# Altium PCB Layout.PcbDoc (part 2 of 4)
Units mil, origin at the board's own origin, x right, y up, seen from the top; angles counter-clockwise.
Board outline 11008.03 x 7942.91 mil, 4 copper layers (Top Layer, Mid 1, Mid 2, Bottom Layer), stack 23.712 mil thick; 525 components, 275 nets, 1569 pads, 373 vias.
Unrouted connection lines stored in the file: 16.
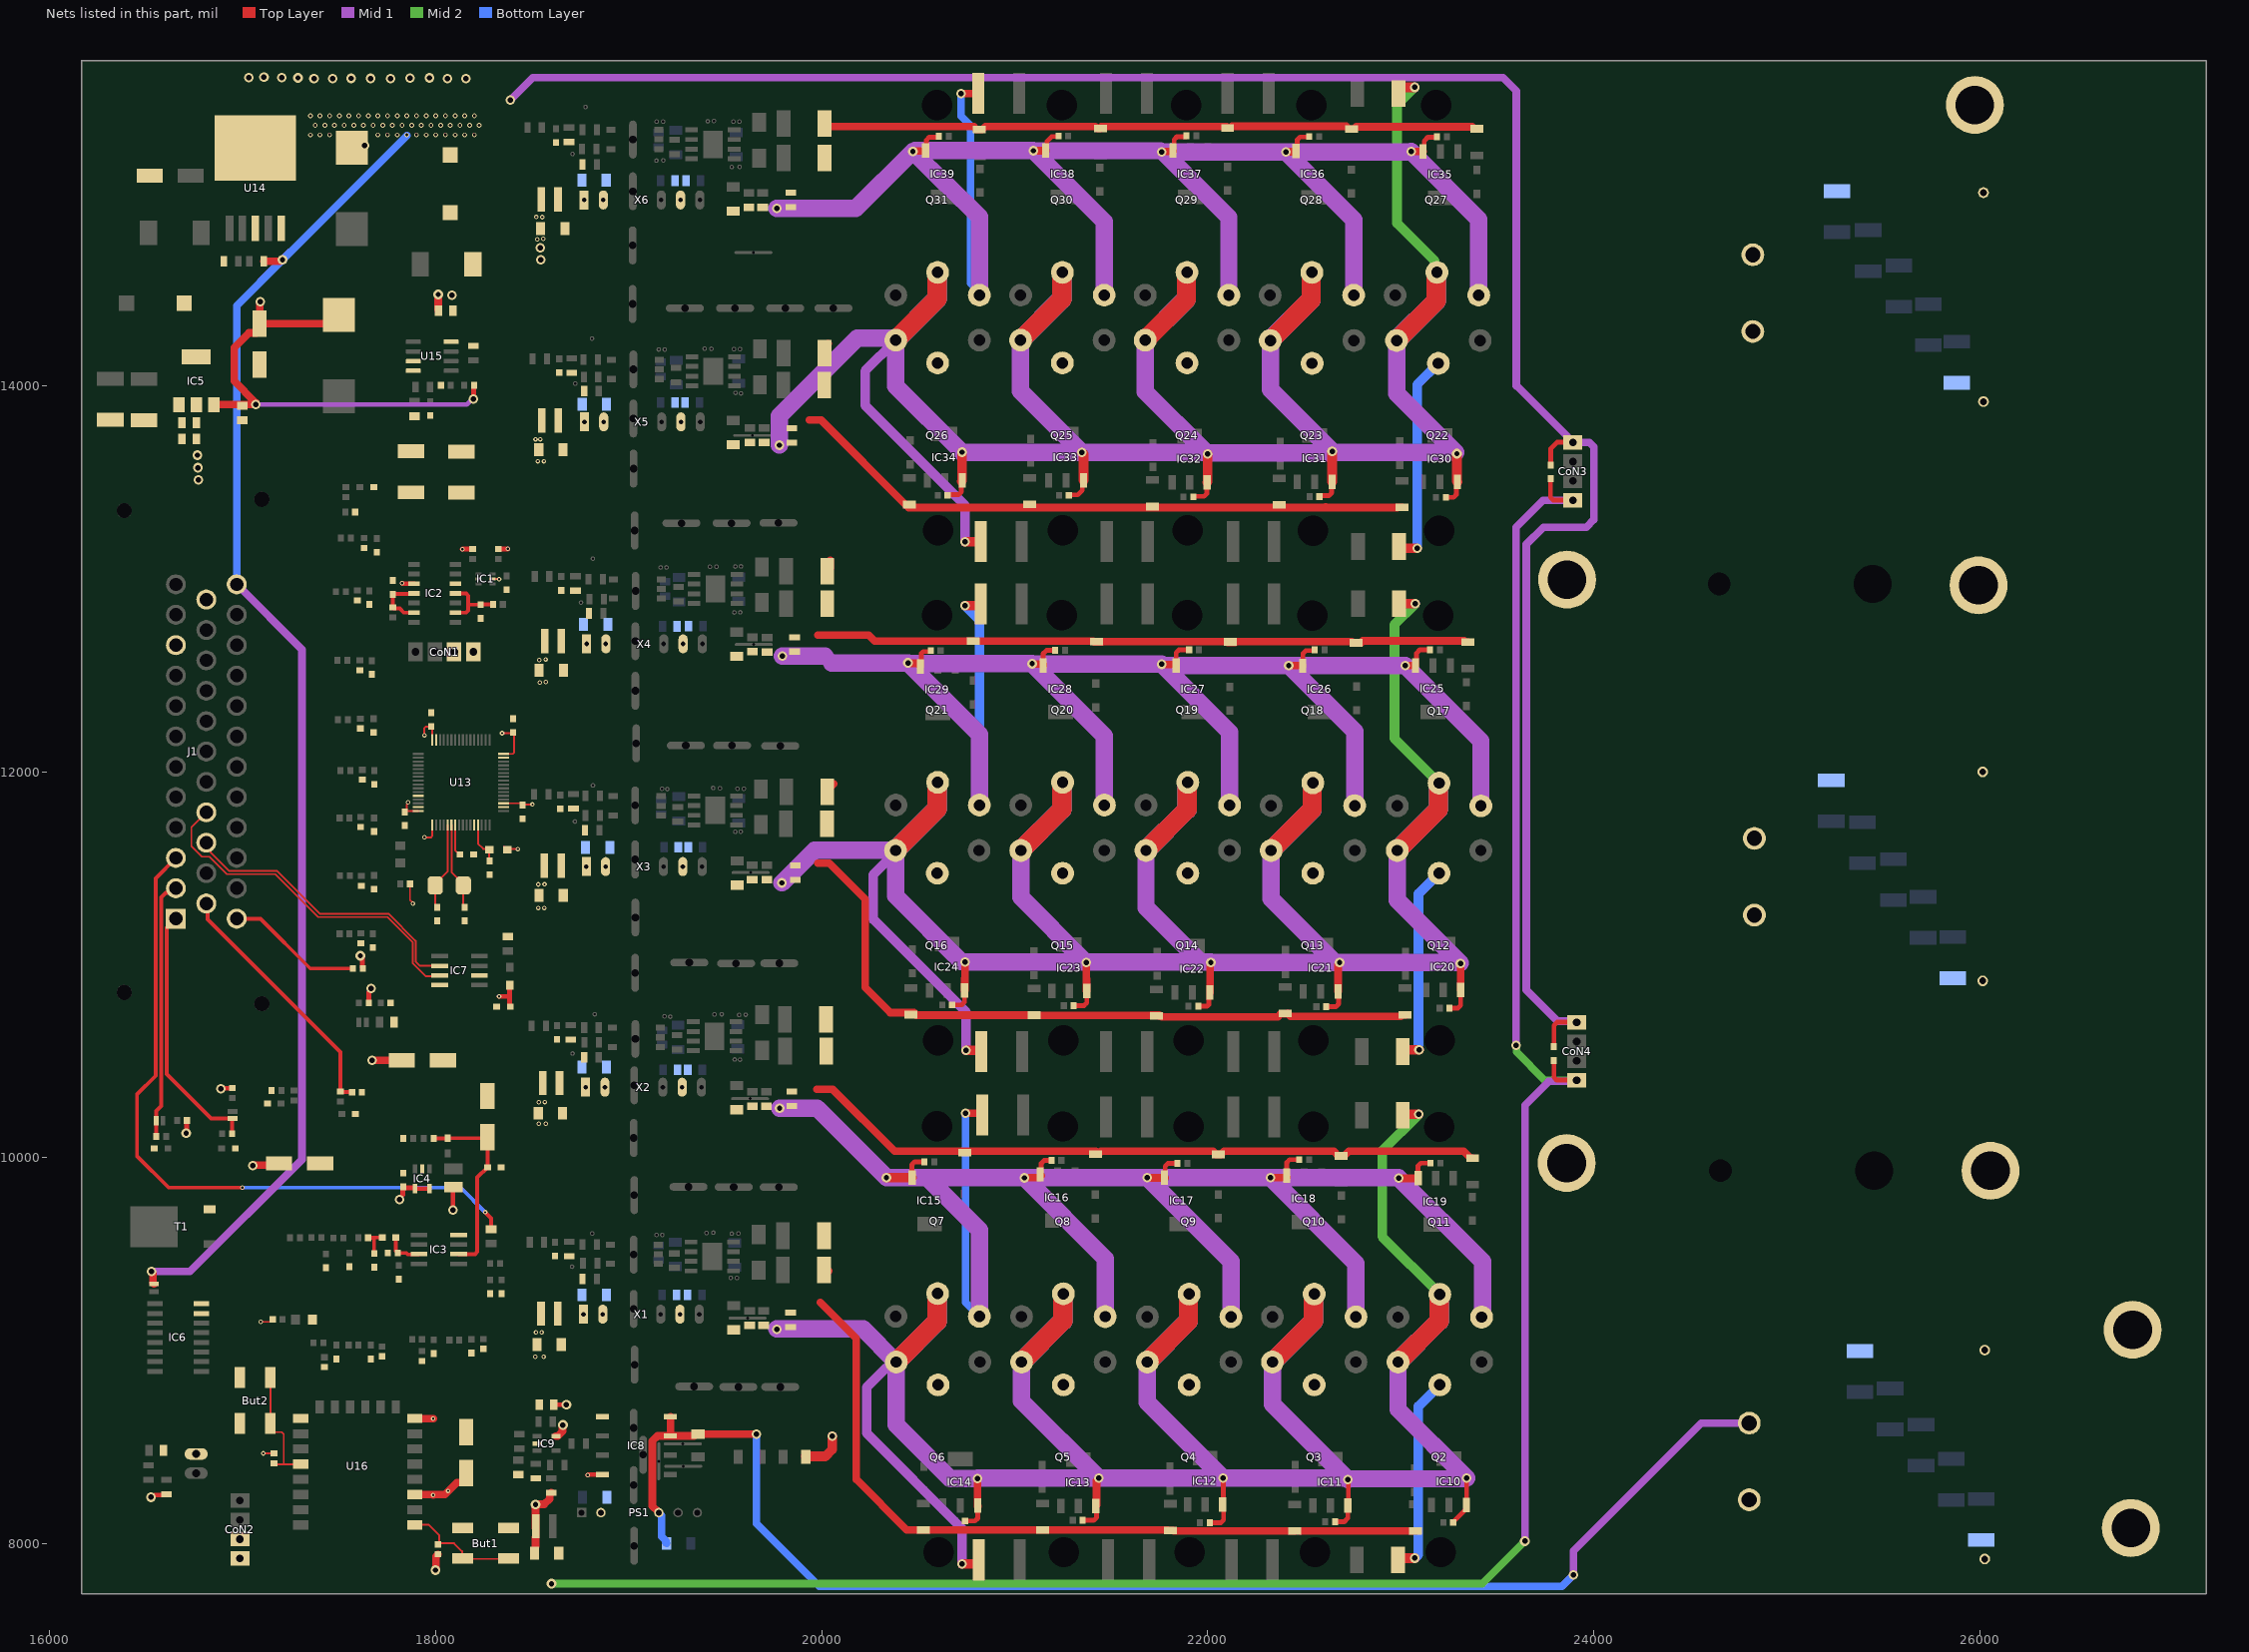
[diagram p4: the nets of this part, all layers, seen from the top]

## Part data
C1 C4 C5 C8 C9 C11 C14 C15 C18 C19 C21 C24 C25 C28 C29 C31 C34 C35 C38 C39 C41 C44 C45 C48 C49 C51 C54 C55 C58 C59 C76 C83 C90 C94 C96 C100 C101 C103 C106 C109 C116: library part C-0805
C2 C3 C10 C12 C13 C20 C22 C23 C30 C32 C33 C40 C42 C43 C50 C52 C53 C60 C112 C113: library part Cap1206, "Cap1206 4.7uF", Manufacturer=SAMSUNG, Özdisan Part Number=CL31B475KBHNNNE, Link=https://www.ozdisan.com/pasif-komponentler/kondansatorler/smd-kondansatorler-mlcc/CL31B475KBHNNNE, Price=0,10407
C6 C7 C16 C17 C26 C27 C36 C37 C46 C47 C56 C57: library part C-1206, "Cap1206 4.7uF"
C61 C62 C63 C64 C65 C66 C67 C68 C69 C70 C71 C73 C74 C75 C77 C78 C79 C80 C81 C82 C84 C85 C86 C87 C88 C89 C95 C104 C105 C107 C108 C110 C115 C117 C118 C119 C120 C121 C122 C123 C124 C125 C126 C127 C128 C129: library part C-0603
C72 C93 C97 C98 C99 C102: library part "100 uF Electr Cap"
C91 C92: library part "CAP 330UF SMD", "CAP ALUM 330UF 20% 16V SMD", Package="RADIAL-2 Panasonic", Availability="In Stock", Check_prices=https://www.snapeda.com/parts/EEE-TC1C331V/Panasonic/view-part/6178283/?ref=eda, MF="Panasonic Electronic Components", MP=EEE-TC1C331V, Price=None, Purchase-URL=https://pricing.snapeda.com/search/part/EEE-TC1C331V/?ref=eda, SnapEDA_Link=https://www.snapeda.com/parts/EEE-TC1C331V/Panasonic/view-part/6178283/?ref=snap
C111: library part C-1206
C130 C131 C132 C133 C134 C135 C136 C138 C139 C141 C143 C144 C147 C149 C150 C151 C152 C153: library part Cap2220, "2220", Manufacturer=SAMSUNG, Özdisan Part Number=CL31B475KBHNNNE, Link=https://www.ozdisan.com/pasif-komponentler/kondansatorler/smd-kondansatorler-mlcc/CL31B475KBHNNNE, Price=0,10407
C137 C140 C148: library part "CAP.POL 22UF 500VDC", ComponentLink1Description=https://www.ozdisan.com/pasif-komponentler/kondansatorler/film-kondansatorler/C3D2H226JB00C00, ComponentLink1URL=https://www.ozdisan.com/pasif-komponentler/kondansatorler/film-kondansatorler/C3D2H226JB00C00
C142 C145 C146: library part "Aluminum Electrolytic Capacitors", Capacitance=4.7mF, Case/Package=Radial, Manufacturer=Nichicon, Manufacturer Part Number=LKS1J472MESZ, Max Operating Temperature=85°C, Min Operating Temperature=-40°C, Package Quantity=250, Ripple Current=3A, Supplier Part Number 1=647-LKS1J472MESZ, Tolerance=20%, Voltage Rating=63V, ComponentLink2Description=https://www.ozdisan.com/pasif-komponentler/kondansatorler/aluminyum-kondansatorler/PKL5-063V472MM450, ComponentLink2URL=https://www.ozdisan.com/pasif-komponentler/kondansatorler/aluminyum-kondansatorler/PKL5-063V472MM450, Diameter=22mm, Height - Seated (Max)=1.772inch, Lead Pitch=0.394inch, Length=45mm, Life (Hours)=1000Hour, Mount="Through Hole", Packaging=Bulk, RoHS=Yes, Supplier 1=Mouser, Termination="Snap in", Voltage Rating (DC)=63V
D1 D2 D3 D4 D5 D6: "DIODE FAST SWITCHING Single 150mA 75V SMT SOD323"
D7 D11: "Green LED Indication - Discrete 1.7V 0805 (2012 Metric)", Package=None, Availability=Unavailable, MP=7012X1, Price=None
D8: library part DIODESOD-323F, "Diode   SMADIODE - SMA Surface Mount Package  20V 1A Schottky Diode Digikey: 641-1014-6-ND    DO-1N4148 - Through Hole Small Current Diode SOD-123 20V 1 A (.5mV Vf) Schottky Diode - Digikey: MBRX120TPMSCT-ND    SOD-323 10V 570mA (.38mV Vf, 3ns) Schottky Diode - Digikey: ZLLS410CT-ND    SOD-523 30V 30mA Schottky Diode (RB751S-40TE61) - Digikey: RB751S-40TE61CT-ND    SOT23-R/W - SOT23 Package (R = Solder Paste/Reflow Ovens, W = Hand-Soldering)  BAT54Film 40V 300mA - Digikey: 497-7162-1-ND", DeviceName=SOD-323F, DeviceSetName=DIODE, GateName_1=G$1, LibraryName=adafruit, SymbolName_1=DIODE
D9 D10: "Diode Schottky 40V 5A Surface Mount DO-214AA (SMB)", Package="DO-214 ON Semiconductor", Arrow_Electronics-Purchase-URL=https://snapeda.com/shop?store=Arrow+Electronics&id=432205, Availability=Good, DigiKey-Purchase-URL=https://snapeda.com/shop?store=DigiKey&id=432205, MF="ON Semiconductor", Mouser-Purchase-URL=https://snapeda.com/shop?store=Mouser&id=432205, MP=MBRS320T3G, Price=None, SnapEDA_Link=https://www.snapeda.com/parts/MBRS320T3G/ON%20Semiconductor/view-part/432205/?ref=snap
D12 D13 D14 D15 D16 D17 D18 D19 D20 D21 D22 D23 D24 D25 D26 D27 D28 D29 D30 D31 D32 D33 D34 D35 D36 D37 D38 D39 D40 D41: library part 1N4148W-E3-18, "Diode Small Signal Switching 100V 0.15A 2-Pin SOD-123 T/R", Average Rectified Current=150mA, Forward Voltage=1.2V, Manufacturer=Vishay, Max Operating Temperature=150°C, Max Power Dissipation=350mW, Max Repetitive Reverse Voltage (Vrrm)=100V, Max Reverse Leakage Current=5uA, Max Reverse Voltage (DC)=75V, Max Surge Current=2A, Min Operating Temperature=-55°C, Package Quantity=10000, Peak Reverse Current=100uA, Supplier Part Number 1=70061597, ComponentLink1Description=https://datasheet.ciiva.com/29885/1n4148w-29885941.pdf?src-supplier=Avnet, ComponentLink1URL=https://datasheet.ciiva.com/29885/1n4148w-29885941.pdf?src-supplier=Avnet, ComponentLink2Description=https://datasheet.ciiva.com/29593/1n4148w-29593113.pdf?src-supplier=Digi-Key, ComponentLink2URL=https://datasheet.ciiva.com/29593/1n4148w-29593113.pdf?src-supplier=Digi-Key, ComponentLink3Description=https://datasheet.ciiva.com/29593/1n4148w-29593111.pdf?src-supplier=Digi-Key, ComponentLink3URL=https://datasheet.ciiva.com/29593/1n4148w-29593111.pdf?src-supplier=Digi-Key, ComponentLink4Description=https://datasheet.ciiva.com/29593/1n4148w-29593112.pdf?src-supplier=Digi-Key, ComponentLink4URL=https://datasheet.ciiva.com/29593/1n4148w-29593112.pdf?src-supplier=Digi-Key, Contact Plating=Tin, Element Configuration=Single, Forward Current=150mA, Height=1.25mm, Lead Free="Lead Free", Length=2.85mm, Manufacturer Part Number=1N4148W-E3-18, Mount="Surface Mount", Number of Pins=2, Packaging="Tape and Reel", Peak Non-Repetitive Surge Current=2A, Power Dissipation=350mW, Pricing 1="1 = 0.03900, 25 = 0.03800, 100 = 0.03600, 250 = 0.03400, 500 = 0.03200, 1000 = 0.03100, 2500 = 0.02900 (USD)", Radiation Hardening=No, Recovery Time=4ns, Reverse Recovery Time=4ns, RoHS=Yes, Stock 1=6838, Supplier 1="Allied Electronics", Weight=0.000363oz, Width=1.7mm
IC1: library part 74*1G10X, "3-input NAND gate", DeviceName=X, DeviceSetName=74*1G10, GateName_1=>NAME, GateName_2=PWR, LibraryName=74xx-eu, SymbolName_1=7412, SymbolName_2=PWRN-1
IC2: "Integrated Circuit", Manufacturer_Name="Texas Instruments", Mouser Part Number=595-LM2901AVQDRQ1, Arrow Part Number=LM2901AVQDRQ1, Arrow Price/Stock=https://www.arrow.com/en/products/lm2901avqdrq1/texas-instruments, Datasheet Link=http://www.ti.com/lit/gpn/lm2901av-q1, Height=1.75mm, Manufacturer_Part_Number=LM2901AVQDRQ1, Mouser Price/Stock=https://www.mouser.co.uk/ProductDetail/Texas-Instruments/LM2901AVQDRQ1?qs=pAO1Z172M84zSPVjiTRtmQ%3D%3D
IC3: "OP AMP", DeviceName=D, DeviceSetName=TDA2822, GateName_1=A, GateName_2=B, GateName_3=P, LibraryName=st-microelectronics, SymbolName_1=OPAMP, SymbolName_2=OPAMP, SymbolName_3=PWR+-
IC5: "800mA and 1A Low Dropout (LDO) Positive Regulator   1.8V, 2.5V, 2.85V, 3.3V, 5V, and Adj", DeviceSetName=REG1117, GateName_1=G$1, LibraryName=burr-brown, MF=MF, MPN=REG1117, OC_FARNELL=1097566, OC_NEWARK=14P6981, SymbolName_1=REG1118
IC6: "DRIVER ARRAY", DeviceName=D, DeviceSetName=ULN2003A, GateName_1=A, LibraryName=uln-udn, SymbolName_1=2001A
IC7: library part MCP2551, "CAN transceiver", DeviceSetName=MCP2551, GateName_1=G$1, LibraryName=SparkFun-DigitalIC, SymbolName_1=MCP2551
IC8: "Integrated Circuit", Manufacturer_Name="Silicon Labs", Mouser Part Number=634-SI8920BC-IP, Arrow Part Number=SI8920BC-IP, Arrow Price/Stock=https://www.arrow.com/en/products/si8920bc-ip/silicon-labs?region=nac, Datasheet Link=https://mouser.componentsearchengine.com/Datasheets/2/SI8920BC-IP.pdf, Height=4.19mm, Manufacturer_Part_Number=SI8920BC-IP, Mouser Price/Stock=https://www.mouser.co.uk/ProductDetail/Silicon-Labs/SI8920BC-IP?qs=bB7QTEcmLuN2VIVidYwh9w%3D%3D
IC9: "Integrated Circuit", Arrow Part Number=OPA344NA/250G4, Manufacturer_Name="Texas Instruments", Mouser Part Number=595-OPA344NA/250G4, Arrow Price/Stock=https://www.arrow.com/en/products/opa344na250g4/texas-instruments?region=nac, Datasheet Link=http://www.ti.com/lit/ds/symlink/opa344.pdf, Height=1.45mm, Manufacturer_Part_Number=OPA344NA/250G4, Mouser Price/Stock=https://www.mouser.co.uk/ProductDetail/Texas-Instruments/OPA344NA-250G4?qs=7nS3%252BbEUL6s62po7Pq3eXQ%3D%3D
IC10 IC11 IC12 IC13 IC14 IC15 IC16 IC17 IC18 IC19 IC20 IC21 IC22 IC23 IC24 IC25 IC26 IC27 IC28 IC29 IC30 IC31 IC32 IC33 IC34 IC35 IC36 IC37 IC38 IC39: "Integrated Circuit", Manufacturer_Name=Vishay, Mouser Part Number=844-IRFL9110PBF, Datasheet Link=http://www.vishay.com/docs/91196/sihfl911.pdf, Height=1.8mm, Manufacturer_Part_Number=IRFL9110PBF, Mouser Price/Stock=https://www.mouser.com/Search/Refine.aspx?Keyword=844-IRFL9110PBF
J1: "Conn Power HDR 35 POS 4mm Solder ST Thru-Hole 35 Terminal 1 Port Automotive Loose", Package=None, Availability=Unavailable, DigiKey-Purchase-URL=https://snapeda.com/shop?store=DigiKey&id=1466385, EU_RoHS_Compliance=Compliant, MF="TE Connectivity", MP=776230-2, Price=None, SnapEDA_Link=https://www.snapeda.com/parts/776230-2/TE%20Connectivity%20AMP%20Connectors/view-part/1466385/?ref=snap
L1 L2 L3 L4 L5 L6 L12: library part inductor
L7 L11: library part MLZ2012M100HTD25, "FIXED IND 10UH 300MA 884 MOHM", Package=None, Availability=Unavailable, MP=MLZ2012M100HTD25, Price=None
L8: library part L-EUL2825P, "INDUCTOR, European symbol", DeviceName=L2825P, DeviceSetName=L-EU, GateName_1=G$1, LibraryName=rcl, SymbolName_1=L-EU
L9 L10: library part "220uH Inductor SMD", "Inductor Power Shielded Wirewound 220uH 20% 100KHz Ferrite 1.1A 0.325Ohm DCR 5049 Automotive T/R", Package=None, Availability=Unavailable, MP=MDH12577C-101MA=P3, Price=None
PS1: "2W DC/DC-Converter 'ECONOLINE' SIP7 6.4kV unreg", Package="SIP-7 Recom Power", Digi-Key_Part_Number=945-3069-5-ND, Digi-Key_Purchase_URL=https://www.digikey.ca/product-detail/en/recom-power/R12P21503D/945-3069-5-ND/7354331?utm_source=snapeda&utm_medium=aggregator&utm_campaign=symbol, MF="Recom Power", MP=R12P21503D, SnapEDA_Link=https://www.snapeda.com/parts/R12P21503D/Recom%20Power/view-part/1592429/?ref=snap
Q1: "32MHz Â±30ppm Crystal 18pF 40 Ohms HC-49/US", Package="HC49/US Abracon", Check_prices=https://www.snapeda.com/parts/ABLS2-32.000MHZ-D4YF-T/Abracon%20LLC/view-part/333468/?ref=eda, Digi-Key_Part_Number=535-9888-1-ND, DigiKey-Purchase-URL=https://snapeda.com/shop?store=DigiKey&id=333468, MF=Abracon, Mouser-Purchase-URL=https://snapeda.com/shop?store=Mouser&id=333468, MP=ABLS2-32.000MHZ-D4YF-T, SnapEDA_Link=https://www.snapeda.com/parts/ABLS2-32.000MHZ-D4YF-T/Abracon%20LLC/view-part/333468/?ref=snap
Q2 Q3 Q4 Q5 Q6 Q7 Q8 Q9 Q10 Q11 Q12 Q13 Q14 Q15 Q16 Q17 Q18 Q19 Q20 Q21 Q22 Q23 Q24 Q25 Q26 Q27 Q28 Q29 Q30 Q31: library part "Sic Mosfet To247", "SiC Mosfet To247"
R1 R3 R9 R11 R15 R17 R23 R25: library part R-2512, "R-2512 10R 1W"
R2 R5 R10 R14: library part Res0805, "Res0805 47K R", Manufacturer=ROYALOHM, Özdisan Part Number=0805S8J0473T5E, Link=https://www.ozdisan.com/pasif-komponentler/direncler/smt-smd-direncler/0805S8J0473T5E, Price=0,00234
R4 R6 R7 R8 R12 R13 R18 R20 R21 R22 R26 R28 R32 R34 R35 R36 R40 R42: library part Res0805, "Res0805 0R", Manufacturer=ROYALOHM, Özdisan Part Number=0805S8J0000T5E, Link=https://www.ozdisan.com/pasif-komponentler/direncler/smt-smd-direncler/0805S8J0000T5E, Price=0,00234
R16 R19 R24 R27 R30 R33 R38 R41: library part Res0805, "RES.(2012) 0805 47K Ohms 5% 1/8W-S 100PPM", Manufacturer=ROYALOHM, Özdisan Part Number=0805S8J0473T5E, Link=https://www.ozdisan.com/pasif-komponentler/direncler/smt-smd-direncler/0805S8J0473T5E, Price=0,00234
R29 R31 R37 R39 R70 R71 R129 R146 R166 R177 R188 R199: library part R-2512
R43 R44 R45 R46 R47 R48 R49 R50 R51 R52 R53 R54 R55 R73 R77 R79 R81 R82 R83 R84 R85 R86 R96 R97 R98 R99 R102 R103 R104 R105 R106 R107 R108 R109 R110 R111 R112 R113 R114 R115 R116 R117 R118 R119 R120 R121 R122 R123 R124 R125 R126 R127 R128: library part R-0603
R58 R59 R60 R61 R62 R63 R64 R65 R66 R67 R68 R69 R72 R74 R87 R88 R89 R90 R93 R95 R100 R101: library part R-0805
R75: library part "1K 0805", "1 kOhms ±1% 0.125W, 1/8W Chip Resistor 0805 (2012 Metric) Moisture Resistant Thick Film", +Sicaklik=+155, -Sicaklik=-55, Cins=Direnc, Deger=1KΩ, Kılıf=0805, Lehim Yöntemi=SMD, MSL="1 (Unlimited)", Uretici Kodu=RC0805FR-071KL
R76: library part "RES 11KΩ SMD", "THICK FILM RESISTOR, 11KOHM, 125mW, 5%", Package=None, Availability=Unavailable, MP=CRCW080511K0JNEA, Price=None
R78 R80 R130 R131 R132 R143 R144 R145 R147 R148 R149 R150 R151 R152 R158 R159 R160: library part R-2512, "10 1w"
R91 R92 R94: library part R-1206, "Res1206"
R138 R139 R140 R141 R142 R161 R162 R163 R164 R165 R172 R173 R174 R175 R176 R183 R184 R185 R186 R187 R194 R195 R196 R197 R198 R205 R206 R207 R208 R209: library part "RES 11Ω 1206", "CRG1206 1% 11R", Package=None, Availability=Unavailable, MP=1623463-1, Price=None
SJ1 SJ2 SJ3 SJ4: "Solder JumperStandard SMD solder jumper. Used to automate production. Two varients : Normally Open and Normally Closed are the same, but have different paste layers. NC will have a large amount of paste and should jumper during reflow.", DeviceSetName=SOLDERJUMPER, GateName_1=1, LibraryName=SparkFun-Passives, SymbolName_1=SJ
  SJ1 SJ2: DeviceName=TRACE
  SJ3 SJ4: DeviceName=NO
TMPHS1: "PIN HEADER", DeviceSetName=PINHD-1X2, GateName_1=G$1, LibraryName=pinhead, SymbolName_1=PINHD2
U1 U3 U5 U7 U9 U11: library part IXDN614SITR, "14A 8SOIC EXP MTL NON INVERTING", Case/Package=SOIC, Manufacturer="Ixys Clare", Max Operating Temperature=125°C, Max Output Current=14A, Max Supply Voltage=35V, Min Operating Temperature=-40°C, Min Supply Voltage=4.5V, Package Quantity=2000, Supplier Part Number 1=849-IXDN614SITR, ComponentLink1Description=https://datasheet.ciiva.com/6613/ixd-614-6613145.pdf?src-supplier=Digi-Key, ComponentLink1URL=https://datasheet.ciiva.com/6613/ixd-614-6613145.pdf?src-supplier=Digi-Key, Fall Time=25ns, Lead Free="Lead Free", Manufacturer Part Number=IXDN614SITR, Mount="Surface Mount", Number of Drivers=1, Number of Outputs=1, Number of Pins=8, Packaging="Tape and Reel", Pricing 1="1 = 4.24000, 10 = 3.79000, 50 = 3.41000, 100 = 3.10000, 1000 = 2.12000, 10000 = 1.90000 (USD)", Propagation Delay=70ns, Rise Time=35ns, RoHS=Yes, Supplier 1=Mouser
U2 U4 U6 U8 U10 U12: library part TLP152(TPL,E, "OPTOISO 3.75KV GATE DRIVER 6SO-5", Case/Package=SO, Forward Current=10mA, Forward Voltage=1.57V, High Level Output Current=2A, Manufacturer=Toshiba, Max Operating Temperature=100°C, Max Output Current=2.5A, Max Power Dissipation=260mW, Min Operating Temperature=-40°C, Package Quantity=3000, Supplier Part Number 1=757-TLP152TPLE, ComponentLink1Description=https://datasheet.ciiva.com/41848/tlp152-datasheet-en-20120914-41848928.pdf?src-supplier=Digi-Key, ComponentLink1URL=https://datasheet.ciiva.com/41848/tlp152-datasheet-en-20120914-41848928.pdf?src-supplier=Digi-Key, Direction=Unidirectional, Fall Time=22ns, Low Level Output Current=2A, Manufacturer Part Number=TLP152(TPL,E, Mount="Surface Mount", Number of Channels=1, Number of Pins=5, Output Current=2.5A, Packaging="Tape and Reel", Pricing 1="1 = 1.55000, 10 = 0.96800, 50 = 0.96800, 100 = 0.87200, 1000 = 0.54300, 10000 = 0.44000 (USD)", Propagation Delay=165ns, Pulse Width Distortion (PWD)=50ns, Rise Time=18ns, RoHS=Yes, Stock 1=22321, Supplier 1=Mouser, Turn-On Delay Time=190ns
U13: "ARMÂ® CortexÂ®-M3 STM32F1 Microcontroller IC 32-Bit 72MHz 128KB _128K x 8_ FLASH", Package="LQFP-64 STMicroelectronics", Availability=Unavailable, MF=STMicroelectronics, MP=STM32F103RBT6, Price=None, SnapEDA_Link=https://www.snapeda.com/parts/STM32F103RBT6/STMicroelectronics/view-part/558286/?ref=snap
U14: "SIMPLE SWITCHER&reg; 40V, 3A Low Component Count Step-Down Regulator 5-DDPAK/TO-263 -40 to 125", Package="TO-263-5 Texas Instruments", Availability=Warning, BuyPart=https://www.snapeda.com/parts/LM2576S-12/NOPB/Texas%20Instruments/view-part/470772/?ref=eda, DigiKey-Purchase-URL=https://snapeda.com/shop?store=DigiKey&id=470772, MF="Texas Instruments", Mouser-Purchase-URL=https://snapeda.com/shop?store=Mouser&id=470772, MP=LM2576S-12/NOPB, Price=None, SnapEDA_Link=https://www.snapeda.com/parts/LM2576S-12/NOPB/Texas%20Instruments/view-part/470772/?ref=snap, Texas_Instruments-Purchase-URL=https://snapeda.com/shop?store=Texas+Instruments&id=470772
U15: "330KHZ, 3A SYNCHRONOUS / BUCK CONTROLLER", Package="SOP-8 Taiwan Semiconductor", Availability="In Stock", Check_prices=https://www.snapeda.com/parts/TS2509CS%20RLG/Taiwan+Semiconductor+Corporation/view-part/?ref=eda, MF="Taiwan Semiconductor Corporation", MP="TS2509CS RLG", Price=None, SnapEDA_Link=https://www.snapeda.com/parts/TS2509CS%20RLG/Taiwan+Semiconductor+Corporation/view-part/?ref=snap
U16: "This WiFi module has a 32-bit MCU micro and clock speeds supporting 80 MHz or 160 MHz. Supports the RTOS and integrated Wi-Fi MAC/BB/RF/PA/LNA, and has an on-board antenna.", Package=None, Availability=Unavailable, MF=AI-Thinker, MP=ESP8266-12E/ESP-12E, Price=None, SnapEDA_Link=https://www.snapeda.com/parts/ESP8266-12E/ESP-12E/AI-Thinker/view-part/106414/?ref=snap
X1 X2 X3 X4 X5 X6: Manufacturer=Recom, Max Output Voltage=15V, Supplier Part Number 1=945-3071-5-ND, Height=12.5mm, Length=19.5mm, Manufacturer Part Number=R24P21503D, Pricing 1="1 = 8.78000, 5 = 8.71200, 10 = 8.64500, 25 = 8.51200, 50 = 8.24600, 100 = 7.44800, 250 = 7.31500, 500 = 7.18200 (USD)", RoHS=No, Stock 1=378, Supplier 1=Digi-Key, Weight=4.3g, Width=9.8mm
IC4: DeviceName=YD5, DeviceSetName=MIC2288, GateName_1=G$1, LibraryName=adafruit, SymbolName_1=MIC2288
T1: D=D, DeviceSetName=AP9T18GH-HF, G=G, GateName_1=G$1, LibraryName=transistor-power, S=S, SymbolName_1=MOSFET_N

## Free pads (board coordinates)
  oval 39.37x196.85 hole 39.37 slot 196.85 at 90 deg: 5(19019.69,14424.21) 5(19020.02,14727.94) 5(19020.93,15008.18) 5(19021.45,15276.28) 5(19023.79,13830.76) 5(19023.79,14085.3) 5(19024.16,13571.12) 5(19025.26,8304.61) 5(19025.26,8600.89) 5(19025.26,9217.28) 5(19025.26,9498.49) 5(19025.64,10103.05) 5(19027.46,7990.06) 5(19028.22,10376.01) 5(19028.54,9807.09) 5(19029.74,8928.5) 5(19030.73,13250.35) 5(19033.09,10958.66) 5(19033.09,11546.13) 5(19033.09,11826.28) 5(19033.93,12420.02) 5(19033.93,12676.91) 5(19033.94,10616.14) 5(19033.94,11245.3) 5(19034.69,12937.32) 5(19038.39,12147.64) 5(19074.05,8461.67)
  oval 15x196.85 hole 15 slot 196.85 at 90 deg: 5(19155.08,8428.24)
  oval 196.85x39.37 hole 39.37 slot 196.85 at 0 deg: 5(19272.83,13288.78) 5(19290.62,14402.36) 5(19295.54,12136.22) 5(19309.25,9849.8) 5(19313.57,11011.57) 5(19338.58,8815.19) 5(19532.84,13288.78) 5(19535,12136.39) 5(19543.62,9848.88) 5(19550.63,14402.36) 5(19556.07,11007.43) 5(19567.66,8813.07) 5(19775.77,13289.82) 5(19776.95,9847.91) 5(19779.98,11008.15) 5(19784.4,8813.07) 5(19784.64,12134.18) 5(19810.25,14402.36) 5(20060.24,14402.36)
  oval 196.85x15 hole 15 slot 196.85 at 0 deg: 5(19279.95,8517.78) 5(19281.91,8401.91) 5(19615.14,9169.46) 5(19628.17,10306.48) 5(19631.03,11478.14) 5(19640.46,13743.2) 5(19645.67,14690.94) 5(19647.36,12659.73)
  round 23.62 hole 11.81: 6(18706.12,9436.16) 6(18708.38,15201.4) 6(18708.55,10540.58) 6(18720.8,11742.74) 6(18722.87,14011.83) 6(18752.41,12877.18) 6(18775.95,15445) 6(18809.4,14244.82) 6(18811.02,9608.62) 6(18814.1,13104.79) 6(18814.34,11930.11) 6(18823.57,10744.03) 6(19143.17,15167.04) 6(19143.6,9600.89) 6(19144.36,15368.79) 6(19155.22,14188.5) 6(19165.38,13059.09) 6(19171.82,11912.24) 6(19173.52,9600.48) 6(19178.29,15368.79) 6(19178.81,15168.37) 6(19185.13,10733.6) 6(19186.31,14188.21) 6(19195.17,13059.09) 6(19199.44,11910.68) 6(19214.6,10731.49) 6(19393,14192.24) 6(19402.72,9610.99) 6(19409.21,15370.78) 6(19420.35,13062.45) 6(19428.19,14191.73) 6(19437.05,11916.41) 6(19437.88,9612.21) 6(19440.74,15372.44) 6(19444.01,10743.36) 6(19454.29,13063.21) 6(19473.01,11915.37) 6(19481.52,10744.32) 6(19528.26,9378.27) 6(19533.38,15133.98) 6(19533.64,9606.99) 6(19541.63,15368.79) 6(19544.97,14190.71) 6(19546.77,12826.06) 6(19548.66,10509.48) 6(19551.59,11689.6) 6(19552.33,13063.96) 6(19552.71,13963.74) 6(19559.72,9377.76) 6(19563.16,11912.77) 6(19567.83,9608.62) 6(19571.64,10740.29) 6(19573.12,15368.79) 6(19574.2,15134.69) 6(19576.57,10508.97) 6(19576.59,14190.71) 6(19577.71,12826.53) 6(19580,11690.11) 6(19581.36,13961.01) 6(19581.64,13064.46) 6(19595.99,11912.24) 6(19605.7,10741.49)
  round 300 hole 200: 7(23859.25,9973.43) 7(23861.02,12996.06) 7(25974.41,15455.71) 7(25993.11,12966.54) 7(26055.21,9933.52) 7(26782.73,8082.17) 7(26791.82,9109.22)

## Via types
v1: diameter 50, hole 28, Top Layer to Bottom Layer, 129 vias
v2: diameter 23.62, hole 11.81, Top Layer to Bottom Layer, 97 vias
v3: diameter 19.68, hole 7.87, Top Layer to Bottom Layer, 72 vias
v4: diameter 25/25/25/25 (per signal layer), hole 15, Top Layer to Bottom Layer, 50 vias
v5: diameter 23.62, hole 11.81, Top Layer to Bottom Layer, tented top, 21 vias
v6: diameter 157.48, hole 157.48, Top Layer to Bottom Layer, 4 vias

## Nets (pads, with @x,y where several pads share a name; then routed paths per layer and width w, separated by ;. In a path a pad name is that pad's centre, name@x,y a point inside that pad or via, vN(x,y) a via of type N, cw(c..) or ccw(c..) an arc to the next point about the centre after c; other vN are vias at no path point)
+3.3V: C63.2 C64.2 C65.2 C66.2 C99.1 C100.2 C101.2 C102.1 C104.2 CoN1.3 CoN2.3 IC1.5 IC5.2 L7.1 L11.1 R43.2 R79.2 R81.1 R82.1 U13.1 U13.19 U13.32 U13.48 U13.64 U16.3 U16.8 | length 1882.7
  Top Layer w10: v2(17092.79,9150.13) 17142.61,9150.13 17142.65,9150.17 17144.62,9150.17 17155.37,9160.91 R79.2@17155.37,9162.88 ; v2(17107,8469.03) 17161.1,8469.03 R82.1@17161.89,8468.23 R82.1@17163.86,8468.23 ; C63.2@17839.91,11788.68 C63.2@17848.16,11796.94 ; v2(17856.72,11841.54) 17856.72,11837.86 17850.66,11831.79 17850.66,11799.43 C63.2@17848.16,11796.94 ; R43.2@17866.49,11419.83 17866.49,11336.18 17881.02,11321.65 v2(17881.02,11317.96) ; U13.64@17909.38,11796.94 C63.2@17848.16,11796.94 ; v2(17940.82,12189.84) 17940.82,12227.72 17946.68,12233.58 17974.37,12233.58 C64.2@17976.47,12235.68 ; v2(17941.95,11660.89) 17975.48,11660.89 17982.38,11667.78 U13.1@17982.38,11723.94 ; U13.48@17982.38,12165.94 C64.2@17982.38,12231.13 ; IC1.5@18294.77,12999.58 18295.62,12998.74 18327.28,12998.74 v2(18328.12,12997.89) ; v2(18343.53,12200.39) 18397.55,12200.39 C65.2@18401.34,12204.18 ; U13.19@18351.38,11836.94 C66.2@18450.46,11836.94 ; U13.32@18351.38,12092.94 18399.4,12092.94 18405.26,12098.79 C65.2@18405.26,12199.45 ; L7.1@18353.24,11611.55 18367.92,11596.87 L7.1@18370.72,11596.87 18373.92,11600.07 v2(18424.69,11600.07) ; C66.2@18449.56,11828.04 18452.55,11831.02 v2(18501.11,11831.02)
  Top Layer w25: v2(18328.09,10836.4) 18337.33,10836.4 18337.58,10836.15 18375.67,10836.15 ; L11.1@18382.86,10884.82 18382.86,10836.15 18382.86,10785.95 18386.1,10782.7 C104.2@18386.32,10782.7
  Top Layer w39.37: v1(17051.83,9959.47) 17053.87,9961.51 17178.72,9961.51 C99.1@17187.92,9970.71 ; U16.3@17890.99,8255.54 17984.05,8255.54 v2(17986.52,8253.07) ; U16.8@17890.99,8649.24 17985.83,8649.24 v2(17986.52,8648.55) ; v2@17988.72,8255.27 18046.9,8255.27 18109.69,8318.06 18141.19,8318.06 18157.92,8334.79 C102.1@18157.92,8366.29 ; v1(17999.03,7863.96) 18001.06,7865.99 18001.06,7935.19 R81.1@18011.53,7945.65
  other v1: 16769.69,13512.8 16766.73,13575.79 16764.62,13641
  other v2: 18063.84,8274.5
+5V: C75.2 C90.2 C97.1 C98.1 C105.2 C106.2 C110.2 C112.2 CoN3.1 CoN4.1 IC2.3 IC4.4 IC4.5 IC5.3 IC8.8 IC9.5 L8.1 L10.2 L12.1 R44.2 R46.2 R56.2 R73.2 R95.1 R100.1 R118.2 R120.2 R122.2 | length 15739.5
  Top Layer w10: R122.2@16945.87,10362.21 R122.2@16948.6,10364.94
  Top Layer w25: v1(16524.64,8241.62) 16531.4,8241.62 16542.76,8252.98 16602.01,8252.98 R100.1@16605.26,8256.22 ; v1(16706.94,10127.52) 16708.85,10129.43 16708.85,10191.04 R118.2@16710.76,10192.95 ; v1(16886.81,10357.95) 16888.94,10360.08 16943.74,10360.08 R122.2@16945.87,10362.21 ; v1(17609.25,11047.02) 17609.25,11040.26 17618.8,11030.71 17618.8,10984.55 R120.2@17622.05,10981.3 ; R56.2@17652.17,10802.68 17652.99,10803.5 17652.99,10857.9 17665.49,10870.4 v1(17665.49,10877.17) ; v1(17812.99,9784.45) 17812.99,9791.21 17828.46,9806.68 C75.2@17828.46,9845.28 ; v2(17825.41,12977.51) 17827.77,12975.15 17887.38,12975.15 IC2.3@17887.68,12974.85 ; C75.2@17831.71,9850.14 17828.46,9846.89 C75.2@17828.46,9845.28 ; IC4.5@17967.66,9840.81 IC4.4@17892.86,9840.81 17888.39,9845.28 C75.2@17828.46,9845.28 ; v1(18089.06,9729.5) 18089.06,9845.24 L8.1@18092.14,9848.33 ; v2(18137.61,13152.93) 18138.48,13153.81 18185.62,13153.81 18186,13154.18 R44.2@18190.84,13154.18 ; v1(18195.7,13931.55) 18195.7,13991.63 18196.07,13992 18196.07,14000.47 R73.2@18199.31,14003.72 ; R46.2@18324.34,13154.18 18372.65,13154.18 v2(18373.81,13155.34) ; C106.2@18611.4,8721.23 v1(18676.94,8721.23) ; v2(18786.7,8356.54) 18789.5,8359.34 IC8.8@18863.19,8359.34 ; C105.2@23775.78,13523.92 23775.78,13421.93 23790.43,13407.28 CoN3.1@23891.73,13407.28 ; C110.2@23793.31,10504.92 23793.31,10417.01 23807.95,10402.36 CoN4.1@23911.42,10402.36
  Top Layer w39.37: IC5.3@16850.09,13902.08 16850.79,13902.77 17067.4,13902.77 v1(17068.1,13903.47) 17066.07,13905.5 17066.07,13914.16 16955.5,14024.73 16955.5,14198.85 17030.82,14274.17 17071.05,14274.17 17087.79,14290.91 C98.1@17087.79,14322.4 ; v1(17090.36,14435.62) 17089.08,14434.33 17089.08,14323.69 C98.1@17087.79,14322.4 ; L10.2@17497.95,14367.1 17453.25,14322.4 C98.1@17087.79,14322.4 ; v1(17669.57,10505.43) C97.1@17824.01,10505.43 ; C112.2@18511.01,7952.35 18514.94,7956.29 18514.94,7985.54 18516.73,7987.32 18516.73,8034.03 18518.85,8036.16 L12.1@18518.85,8083.17 ; L12.1@18516.73,8083.17 v1(18516.73,8203.34) 18518.76,8205.38 18562.68,8205.38 18589.68,8232.38 18589.68,8260.44 18593.61,8260.44 R95.1@18597.55,8264.37 ; IC9.5@18623.21,8557.57 18630.98,8557.57 18656.82,8583.41 18656.82,8613.92 v1(18658.86,8615.95)
  Mid 1 w25: v1(17068.1,13903.47) 18160.85,13903.47 18188.93,13931.55 v1(18195.7,13931.55)
  Mid 1 w39.37: v1(23596.82,10582.39) 23596.8,10717.81 23596.8,13267.97 23736.12,13407.28 CoN3.1@23891.73,13407.28 ; v1(23642.73,8014.06) 23642.73,10272.46 23766.64,10396.36 CoN4.1@23914.46,10396.36
  Mid 2 w39.37: v1(18599.5,7793.66) 23422.33,7793.66 v1(23642.73,8014.06) ; v1(23596.82,10582.39) 23598.85,10580.36 23598.85,10548.78 23745.28,10402.36 CoN4.1@23911.42,10402.36
+12V: C2.2 C12.2 C23.2 C32.2 C42.2 C52.2 C92.1 C94.2 J1.35 L1.1 L2.1 L3.1 L4.1 L5.1 L6.1 L9.2 R72.2 R76.2 SJ2.2 U15.4 | length 7087.2
  Top Layer w39.37: v1(16527.5,9411.31) 16527.5,9408.43 16535.03,9400.89 16535.03,9351.98 SJ2.2@16540.35,9346.66 ; R76.2@17108.7,14644.7 17195.02,14644.7 17202.88,14652.56 v1(17205.76,14652.56) ; v1(18012.8,14473.43) 18012.8,14398.62 18014.76,14396.65 C94.2@18014.76,14388.78
  Mid 1 w39.37: v1(16527.5,9411.31) 16726.58,9411.31 17306.67,9991.39 17306.67,12633.29 J1.35@16968.5,12971.46
  Bottom Layer w39.37: J1.35@16968.5,12971.46 16968.5,14415.31 v1(17205.76,14652.56) 17300.2,14747 v4@17851.01,15297.82
  other v1: 18083.76,14469.35 18543.27,14653.37 18540.85,14714.9 17631.89,15245.08
  other v2: 18515.42,8969.36 18558.62,8969.36 18519.21,9096.14 18548.41,9096.14 18533.46,10176.17 18570.26,10176.17 18533.65,10288.07 18565.34,10289.05 18531,11294.83 18562.69,11294.83 18531,11416.98 18563.49,11417.11 18539.45,12463.35 18569.53,12466 18535.66,12579.45 18568.88,12582.87 18528.77,13609.27 18560.44,13609.27 18517,13723.24 18540.88,13723.36 18526.01,14759.91 18557.35,14762.24 18551.34,14874.3 18521.37,14874.52
  other v4: 17350,15300 17400,15300 17450,15300 17700,15300 17750,15300 17800,15300 17850,15300 17900,15300 17950,15300 18000,15300 18050,15300 18100,15300 18150,15300 18200,15300 17375,15350 17425,15350 17475,15350 17525,15350 17575,15350 17625,15350 17675,15350 17725,15350 17775,15350 17825,15350 17875,15350 17925,15350 17975,15350 18025,15350 18075,15350 18125,15350 18175,15350 18225,15350 17350,15400 17400,15400 17450,15400 17500,15400 17550,15400 17600,15400 17650,15400 17700,15400 17750,15400 17800,15400 17850,15400 17900,15400 17950,15400 18000,15400 18050,15400 18100,15400 18150,15400 18200,15400
+48V: J1.10 R70.2 R71.2
A: C1.1 C4.2 C8.1 C9.1 C10.2 C132.2 IC10.3 IC11.3 IC12.3 IC13.3 IC14.3 pad.7@23859.25,9973.43 pad.7@26055.21,9933.52 Q2.3 Q3.3 Q4.3 Q5.3 Q6.3 Q7.2 Q8.2 Q9.2 Q10.2 Q11.2 R5.1 R133.2 R134.2 R135.2 R136.2 R137.2 R146.2 X1.6 | length 20035.9
  Top Layer w25: R137.2@20742.36,8118.13 20793.43,8118.13 20808.07,8132.77 IC14.3@20808.07,8194.88 ; R136.2@21352.02,8122.14 21409.17,8122.14 21423.82,8136.79 IC13.3@21423.82,8200.74 ; R135.2@22010.5,8109.22 22066.88,8109.22 22081.52,8123.86 22081.52,8185.64 22080.47,8186.69 22080.47,8339.53 v1(22079.42,8340.58) ; R134.2@22660.01,8114.55 22706.75,8114.55 22725.65,8133.44 22725.65,8188.24 22727.81,8190.41 22727.81,8330.99 v1(22725.95,8332.86) ; R133.2@23271,8110.47 23274.25,8113.71 23274.25,8115.68 23340.82,8182.26 v1(23340.82,8341.14)
  Top Layer w39.37: v1(20807.47,8338.59) 20807.77,8338.29 20807.77,8195.18 IC14.3@20808.07,8194.88 ; IC13.3@21423.82,8200.74 21423.82,8326.56 21434.97,8337.71 v1(21434.97,8340.58)
  Top Layer w50: v1(20726.61,7895.75) 20806.45,7895.75 20812.94,7902.24 C132.2@20812.94,7916.82 ; R146.2@23010.02,10220.73 23015.08,10225.79 v1(23093.14,10225.79)
  Top Layer w100: Q6.3@20385.87,8941.93 20596.69,9152.76 20596.69,9293.51 Q7.2@20600.16,9296.98 ; Q5.3@21035.22,8941.93 21248.29,9155 21248.29,9292.21 Q8.2@21251.76,9295.68 ; Q4.3@21686.68,8941.93 21899.75,9155 21899.75,9290.91 Q9.2@21903.21,9294.38 ; Q3.3@22334.73,8941.93 22547.8,9155 22547.8,9290.91 Q10.2@22551.26,9294.38 ; Q2.3@22985.57,8941.93 23198.64,9155 23198.64,9289.62 Q11.2@23202.11,9293.08
  Mid 1 w39.37: v1(19767.39,9112.27) v1@19768.24,9113.12 ; v1(20807.47,8338.59) v1@20809.46,8340.58 ; v1@22715.35,8340.58 22723.07,8332.86 v1(22725.95,8332.86) 22727.98,8334.89 22735.5,8334.89 v1@22737.53,8336.92 ; v1@23329.09,8336.92 23331.27,8339.1 23338.79,8339.1 v1(23340.82,8341.14)
  Mid 1 w50: Q6.3@20385.87,8939.76 Q6.3@20385.87,8941.93 20367.43,8941.93 20333.64,8908.13 20330.08,8908.13 20232.45,8810.51 20232.45,8573.71 20726.61,8079.55 v1(20726.61,7895.75)
  Mid 1 w90: v1@19768.24,9113.12 20214.67,9113.12 Q6.3@20385.87,8941.93 ; Q6.3@20385.87,8939.76 20385.87,8617.06 20664.34,8338.59 v1(20807.47,8338.59) ; v1@20809.46,8340.58 v1(21434.97,8340.58) ; Q5.3@21035.22,8941.93 21035.22,8740.33 v1(21434.97,8340.58) ; Q4.3@21686.68,8941.93 21686.68,8733.32 v1(22079.42,8340.58) ; Q3.3@22334.73,8941.93 22334.73,8724.08 v1(22725.95,8332.86) ; v1@22715.35,8340.58 v1(22079.42,8340.58) ; v1@22737.53,8336.92 v1@23329.09,8336.92 ; Q2.3@22985.57,8941.93 22985.57,8696.39 v1(23340.82,8341.14) ; v1(21434.97,8340.58) v1(22079.42,8340.58)